# Altium PCB DM1097_R2M0E2.PcbDoc (part 6 of 7)
Units mm, origin at the board's own origin, x right, y up, seen from the top; angles counter-clockwise.
Board outline 110 x 60 mm, 6 copper layers (Top Copper, GND 1, PWR, Signal Layer 1, GND 2, Bottom Copper), stack 1.597 mm thick; 274 components, 266 nets, 1212 pads, 803 vias.
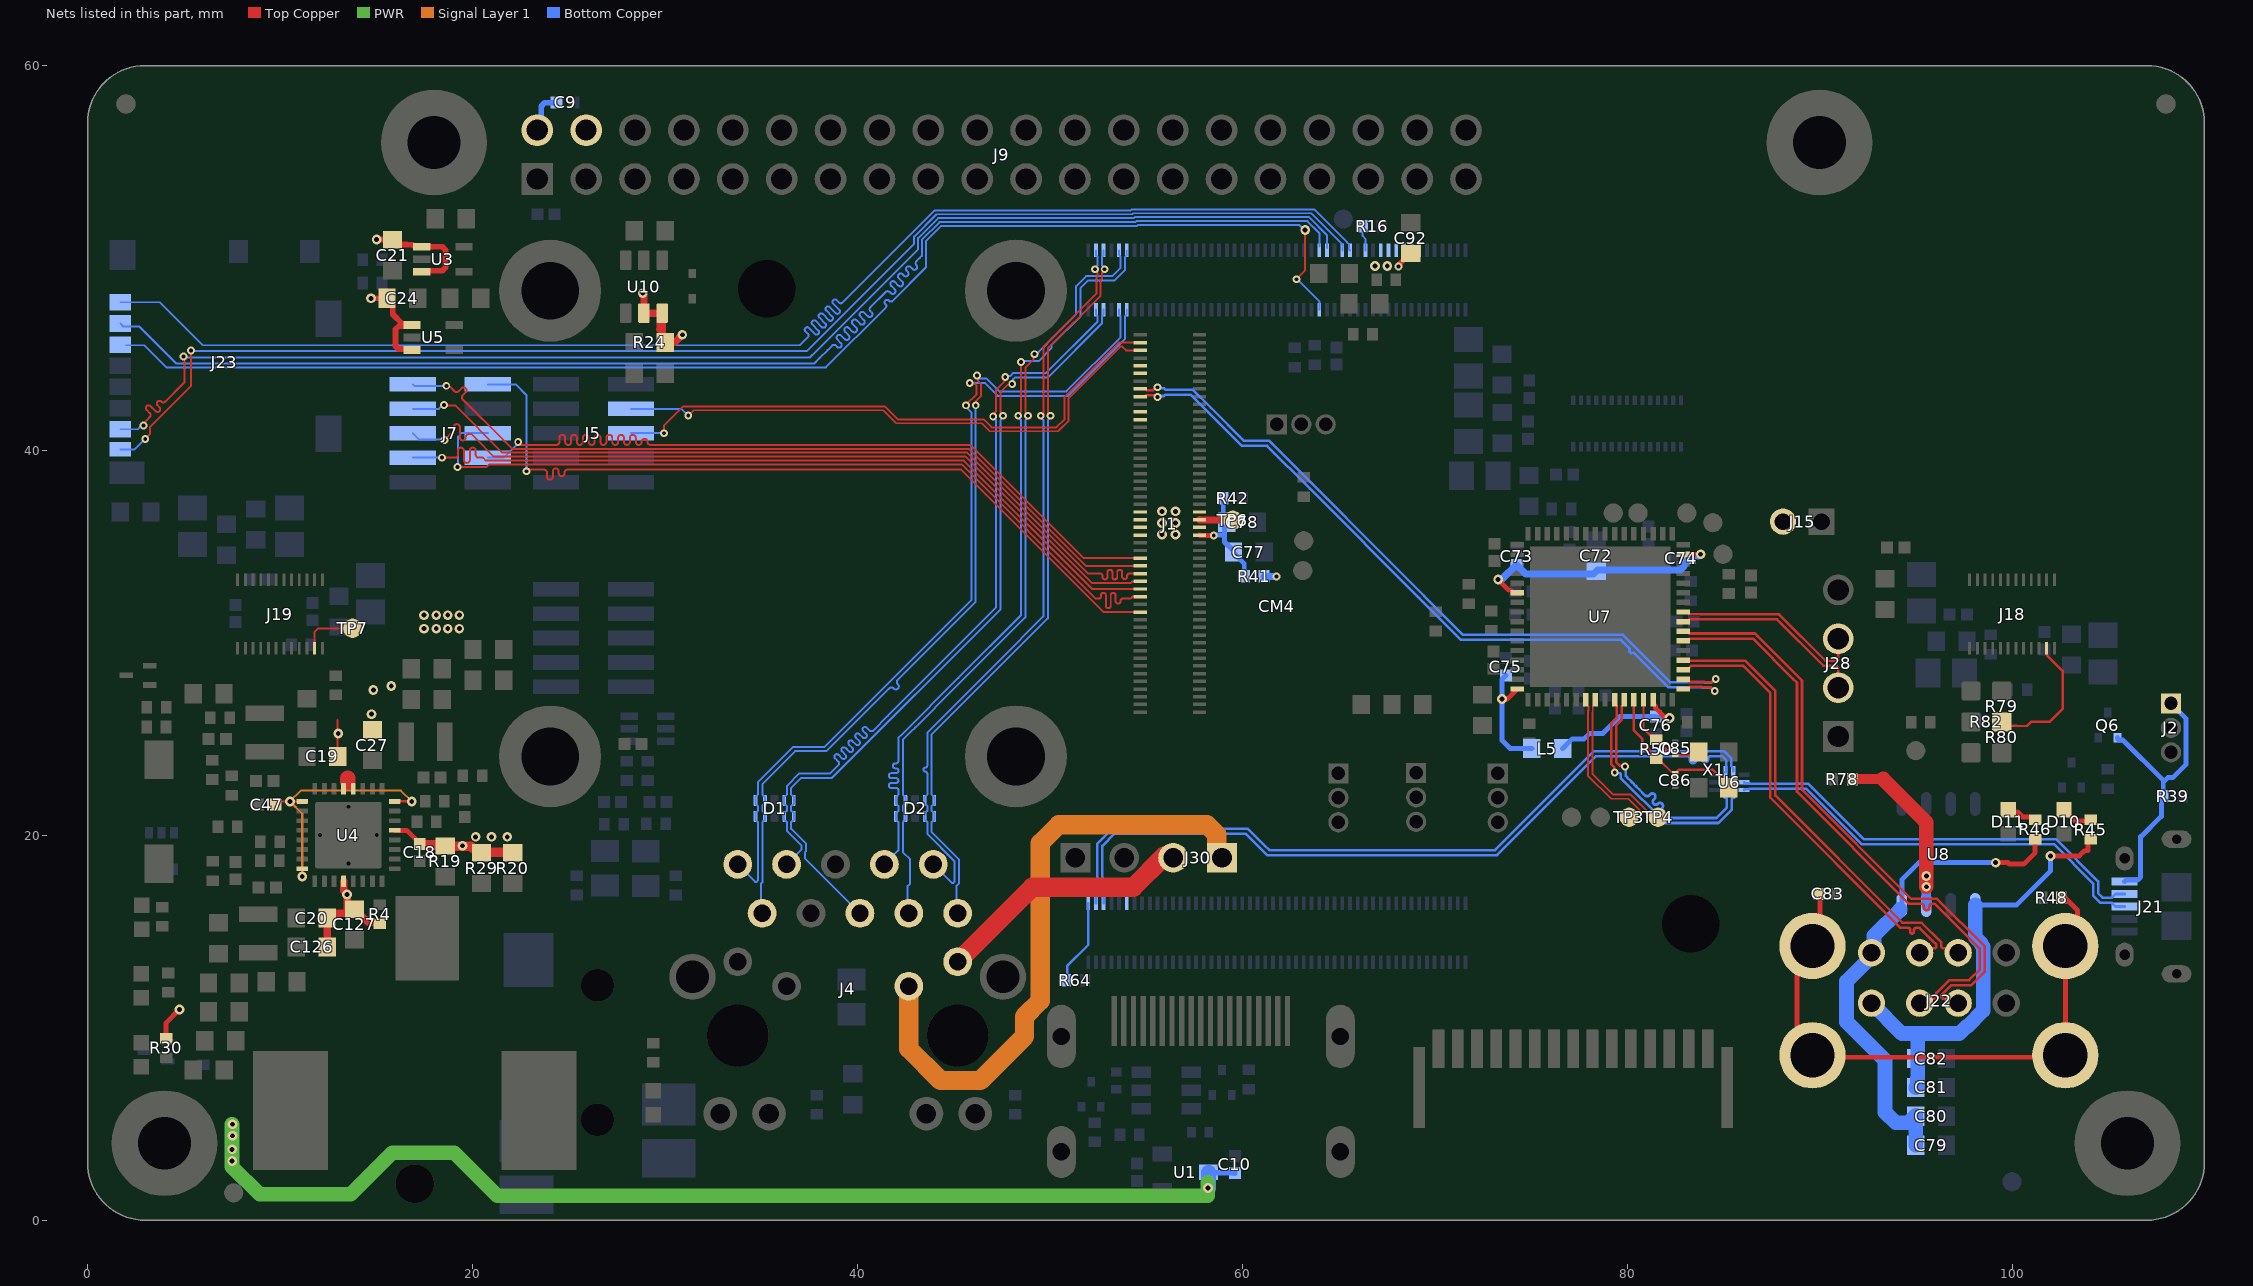
[diagram p10: the nets of this part, all layers, seen from the top]

## Via types
v1: diameter 0.406, hole 0.203, Top Copper to Bottom Copper, tented both sides, 442 vias
v2: diameter 0.508, hole 0.254, Top Copper to Bottom Copper, tented both sides, 361 vias

## Nets (pads, with @x,y where several pads share a name; then routed paths per layer and width w, separated by ;. In a path a pad name is that pad's centre, name@x,y a point inside that pad or via, vN(x,y) a via of type N, cw(c..) or ccw(c..) an arc to the next point about the centre after c; other vN are vias at no path point) (continued)
SDX_CMD: CM4.62 J23.3 | length 70.9
  Top Copper w0.102: v1(62.814,48.895) 63.271,49.352 v2(63.271,51.46)
  Bottom Copper w0.102: J23.3@2.007,45.466 2.939,45.466 4.091,44.314 38.37,44.314 41.442,47.386 41.478,47.422 ccw(c41.397,47.503) 41.478,47.584 41.446,47.616 cw(c41.527,47.697) 41.446,47.778 41.464,47.796 cw(c41.545,47.715) 41.626,47.796 41.658,47.764 ccw(c41.739,47.845) 41.82,47.764 43.561,49.505 43.561,49.707 43.561,50.859 44.366,51.664 54.535,51.664 54.586,51.714 62.967,51.714 63.221,51.46 v2(63.271,51.46) ; v1(62.814,48.895) 62.854,48.895 64.004,47.745 64.004,47.324 CM4.62@64,47.32
SDX_D0: CM4.63 J23.7 | length 71
  Top Copper w0.102: v1(2.9,41.3) 2.892,41.308 2.892,41.392 3.204,41.704 3.24,41.74 ccw(c3.14,41.839) 3.24,41.939 3.073,42.105 cw(c3.172,42.205) 3.272,42.305 3.538,42.038 ccw(c3.638,42.138) 3.737,42.237 3.638,42.337 cw(c3.737,42.436) 3.837,42.536 ccw(c3.936,42.636) 4.036,42.536 5.029,43.529 5.029,43.713 5.029,44.829 v1(4.985,44.873)
  Bottom Copper w0.102: J23.7@1.7,41.1 2.617,41.1 2.817,41.3 v1(2.9,41.3) ; v1(4.985,44.873) 5.027,44.831 37.541,44.831 37.871,45.161 40.513,47.803 42.873,50.163 43.155,50.444 43.155,51.027 44.197,52.07 54.367,52.07 54.418,52.121 63.473,52.121 64.4,51.194 CM4.63@64.4,50.51
SDX_D1: CM4.67 J23.8 | length 71.1
  Top Copper w0.102: v1(3,40.6) 3.256,40.856 3.256,41.229 5.385,43.358 v1(5.385,45.187)
  Bottom Copper w0.102: J23.8@1.7,40.05 2.45,40.05 v1(3,40.6) ; v1(5.385,45.187) 5.41,45.161 37.363,45.161 42.951,50.749 42.951,51.111 44.113,52.273 54.283,52.273 54.334,52.324 63.587,52.324 65.2,50.711 CM4.67@65.2,50.4
SDX_D2: CM4.69 J23.1 | length 74.1
  Bottom Copper w0.102: J23.1@1.7,47.7 3.76,47.7 5.994,45.466 37.008,45.466 37.399,45.857 37.435,45.893 ccw(c37.354,45.974) 37.435,46.055 37.299,46.192 cw(c37.38,46.273) 37.299,46.354 37.317,46.372 cw(c37.398,46.291) 37.479,46.372 37.802,46.049 ccw(c37.883,46.13) 37.964,46.049 37.982,46.067 ccw(c37.901,46.148) 37.982,46.229 37.659,46.552 cw(c37.74,46.633) 37.659,46.714 37.677,46.732 cw(c37.758,46.651) 37.839,46.732 38.162,46.409 ccw(c38.243,46.49) 38.324,46.409 38.342,46.427 ccw(c38.261,46.508) 38.342,46.589 38.019,46.912 cw(c38.1,46.993) 38.019,47.074 38.037,47.092 cw(c38.118,47.011) 38.199,47.092 38.522,46.769 ccw(c38.603,46.85) 38.684,46.769 38.702,46.787 ccw(c38.621,46.868) 38.702,46.949 38.379,47.272 cw(c38.46,47.353) 38.379,47.434 38.397,47.452 cw(c38.478,47.371) 38.559,47.452 38.882,47.129 ccw(c38.963,47.21) 39.044,47.129 39.062,47.147 ccw(c38.981,47.228) 39.062,47.309 38.739,47.632 cw(c38.82,47.713) 38.739,47.794 38.757,47.812 cw(c38.838,47.731) 38.919,47.812 39.055,47.675 ccw(c39.136,47.757) 39.217,47.675 41.017,49.475 44.018,52.476 54.199,52.476 54.249,52.527 63.738,52.527 65.452,50.813 65.452,50.803 65.551,50.705 65.551,50.449 CM4.69@65.6,50.4
SDX_D3: CM4.61 J23.2 | length 74
  Bottom Copper w0.102: J23.2@1.7,46.6 1.86,46.44 2.683,46.44 4.606,44.517 37.761,44.517 38.025,44.781 38.453,45.21 38.689,45.445 cw(c38.788,45.345) 38.888,45.445 38.951,45.381 ccw(c39.051,45.481) 39.15,45.58 38.964,45.767 cw(c39.063,45.867) 39.163,45.966 39.349,45.78 ccw(c39.449,45.879) 39.549,45.979 39.362,46.165 cw(c39.462,46.265) 39.561,46.364 39.748,46.178 ccw(c39.847,46.277) 39.947,46.377 39.76,46.564 cw(c39.86,46.663) 39.959,46.763 40.146,46.576 ccw(c40.246,46.676) 40.345,46.775 40.158,46.962 cw(c40.258,47.061) 40.358,47.161 40.544,46.974 ccw(c40.644,47.074) 40.743,46.974 ccw(c40.644,47.074) 40.743,47.173 40.68,47.237 cw(c40.779,47.337) 40.68,47.436 41.476,48.233 cw(c41.576,48.133) 41.675,48.233 41.739,48.169 ccw(c41.838,48.269) 41.938,48.368 41.751,48.555 cw(c41.851,48.654) 41.951,48.754 42.137,48.567 ccw(c42.237,48.667) 42.336,48.766 42.15,48.953 cw(c42.249,49.053) 42.349,49.152 42.416,49.085 ccw(c42.515,49.185) 42.615,49.085 ccw(c42.515,49.185) 42.615,49.284 42.571,49.328 cw(c42.671,49.427) 42.77,49.527 42.87,49.427 ccw(c42.97,49.527) 43.069,49.626 cw(c43.169,49.726) 43.069,49.826 43.247,50.003 43.358,50.114 43.358,50.943 44.282,51.867 54.451,51.867 54.502,51.918 63.389,51.918 64.008,51.299 CM4.61@64.008,50.597
SDX_VDD: CM4.73 R16.1 | length 1.4
  Bottom Copper w0.102: R16.1@66.251,51.714 66.251,51.148 66.4,50.999 CM4.73@66.4,50.4
SOFT_START: C47.1 U4.8 U4.17 U4.24 | length 13.7
  Top Copper w0.102: C47.1@9.765,21.697 9.83,21.762 v2(10.515,21.762) U4.17@11.155,21.762
  Top Copper w0.127: v2(11.155,17.861) U4.24@11.155,18.262 ; U4.8@15.955,21.762 v2(16.847,21.762)
  Signal Layer 1 w0.102: v2(10.515,21.762) 11.079,22.327 16.282,22.327 16.841,21.768 v2@16.891,21.768
  Signal Layer 1 w0.127: v2(10.515,21.762) 11.155,21.121 v2(11.155,17.861)
SP1: J4.13 J30.1 | length 32.5
  Signal Layer 1 w1: J4.13@42.675,12.16 42.675,8.912 44.323,7.264 46.406,7.264 48.692,9.55 48.692,10.592 49.505,11.405 49.505,19.583 50.47,20.549 58.166,20.549 58.675,20.04 58.675,19.108 58.911,18.872 J30.1@59.004,18.872
  Bottom Copper w1: J4.13@42.672,12.268 42.675,12.265 J4.13@42.675,12.16
SP2: J4.14 J30.2 | length 13
  Top Copper w1: J4.14@45.215,13.43 49.085,17.3 54.333,17.3 55.931,18.898 J30.2@55.931,18.923
SPI_SCK: J1.74 J7.1 | length 42.5
  Top Copper w0.102: v1(22.809,38.916) 22.809,38.94 22.869,39 23.362,39 23.719,39 cw(c23.719,38.847) 23.872,38.847 23.872,38.631 ccw(c24.024,38.631) 24.177,38.631 24.177,38.915 cw(c24.33,38.915) 24.483,38.915 24.483,38.812 ccw(c24.636,38.812) 24.788,38.812 24.788,38.847 cw(c24.941,38.847) 24.941,39 28.132,39 45.4,39 52.8,31.6 J1.74@54.7,31.6
  Bottom Copper w0.102: J7.1@20.8,43.434 22.25,43.434 22.809,42.875 v1(22.809,38.916)
SPI_SIO0: J1.62 J7.2 | length 42.5
  Top Copper w0.102: v1(18.644,43.358) 18.702,43.299 18.845,43.299 19.03,43.114 19.066,43.078 ccw(c19.174,43.186) 19.282,43.078 19.435,43.231 cw(c19.543,43.123) 19.651,43.015 19.498,42.862 ccw(c19.606,42.754) 19.498,42.646 21.649,40.495 22.06,40.084 45.791,40.084 51.875,34 J1.62@54.7,34
  Bottom Copper w0.102: J7.2@16.9,43.434 16.976,43.358 v1(18.644,43.358)
SPI_SIO1: J1.64 J7.4 | length 43.4
  Top Copper w0.102: v1(18.517,42.358) 18.532,42.342 19.101,42.342 21.562,39.881 45.706,39.881 51.987,33.6 52.321,33.6 52.627,33.6 cw(c52.627,33.485) 52.741,33.485 52.741,33.418 ccw(c52.856,33.418) 52.856,33.303 52.881,33.303 ccw(c52.881,33.418) 52.996,33.418 52.996,33.682 cw(c53.111,33.682) 53.111,33.797 53.136,33.797 cw(c53.136,33.682) 53.251,33.682 53.251,33.418 ccw(c53.365,33.418) 53.365,33.303 53.391,33.303 ccw(c53.391,33.418) 53.505,33.418 53.505,33.682 cw(c53.62,33.682) 53.62,33.797 53.645,33.797 cw(c53.645,33.682) 53.76,33.682 53.76,33.437 ccw(c53.874,33.437) 53.874,33.322 53.9,33.322 ccw(c53.9,33.437) 54.014,33.437 54.014,33.485 cw(c54.129,33.485) 54.129,33.6 54.361,33.6 J1.64@54.7,33.6
  Bottom Copper w0.102: J7.4@16.9,42.164 18.252,42.164 18.446,42.358 v1(18.517,42.358)
SPI_SIO2: J1.66 J7.6 | length 42.6
  Top Copper w0.102: v1(18.542,40.548) 18.837,40.843 18.888,40.843 ccw(c18.888,40.996) 19.041,40.996 19.041,41.212 cw(c19.194,41.212) 19.346,41.212 19.346,40.674 ccw(c19.499,40.674) 19.652,40.674 19.652,40.69 cw(c19.805,40.69) 19.805,40.843 19.953,40.843 20.197,40.599 21.119,39.678 22.53,39.678 45.622,39.678 52.2,33.1 54.199,33.1 54.299,33.2 J1.66@54.7,33.2
  Bottom Copper w0.102: J7.6@16.9,40.894 17.229,40.565 18.525,40.565 v1(18.542,40.548)
SPI_SIO3: J1.68 J7.8 | length 42.7
  Top Copper w0.102: v1(18.415,39.624) 19.048,39.624 19.099,39.624 ccw(c19.099,39.777) 19.252,39.777 19.252,39.993 cw(c19.404,39.993) 19.557,39.993 19.557,39.507 ccw(c19.71,39.507) 19.863,39.507 19.863,39.993 cw(c20.016,39.993) 20.168,39.993 20.168,39.777 ccw(c20.321,39.777) 20.321,39.624 20.553,39.624 20.703,39.475 21.389,39.475 22.758,39.475 45.538,39.475 52.116,32.897 52.213,32.8 J1.68@54.7,32.8
  Bottom Copper w0.102: J7.8@16.9,39.624 v1(18.415,39.624)
SPI_SS_0: J1.70 J7.5 | length 43.9
  Top Copper w0.102: v1(19.228,39.141) 20.732,39.141 20.862,39.271 45.416,39.271 52.387,32.3 52.494,32.3 52.545,32.3 ccw(c52.545,32.415) 52.66,32.415 52.66,32.482 cw(c52.774,32.482) 52.774,32.597 52.8,32.597 cw(c52.8,32.482) 52.914,32.482 52.914,31.918 ccw(c53.029,31.918) 53.029,31.803 53.054,31.803 ccw(c53.054,31.918) 53.169,31.918 53.169,32.482 cw(c53.283,32.482) 53.283,32.597 53.309,32.597 cw(c53.309,32.482) 53.423,32.482 53.423,32.162 ccw(c53.538,32.162) 53.538,32.047 53.563,32.047 ccw(c53.563,32.162) 53.678,32.162 53.678,32.185 cw(c53.793,32.185) 53.793,32.3 54.199,32.3 54.299,32.4 54.656,32.4 J1.70@54.7,32.4
  Bottom Copper w0.102: v1(19.228,39.141) 19.253,39.167 19.253,40.716 19.431,40.894 J7.5@20.8,40.894
SPI_SS_1: J1.60 J7.7 | length 42.6
  Top Copper w0.102: v1(22.377,40.44) 22.53,40.287 24.311,40.287 24.362,40.287 ccw(c24.362,40.44) 24.515,40.44 24.515,40.657 cw(c24.668,40.657) 24.821,40.657 24.821,40.44 ccw(c24.973,40.44) 25.126,40.44 25.126,40.657 cw(c25.279,40.657) 25.432,40.657 25.432,40.44 ccw(c25.585,40.44) 25.737,40.44 25.737,40.657 cw(c25.89,40.657) 26.043,40.657 26.043,40.44 ccw(c26.196,40.44) 26.349,40.44 26.349,40.657 cw(c26.501,40.657) 26.654,40.657 26.654,40.44 ccw(c26.807,40.44) 26.96,40.44 26.96,40.657 cw(c27.113,40.657) 27.265,40.657 27.265,40.44 ccw(c27.418,40.44) 27.571,40.44 27.571,40.657 cw(c27.724,40.657) 27.877,40.657 27.877,40.44 ccw(c28.029,40.44) 28.182,40.44 28.182,40.657 cw(c28.335,40.657) 28.488,40.657 28.488,40.44 ccw(c28.641,40.44) 28.793,40.44 28.793,40.453 cw(c28.946,40.453) 29.099,40.453 29.099,40.44 ccw(c29.252,40.44) 29.252,40.287 32.016,40.287 45.875,40.287 51.762,34.4 J1.60@54.7,34.4
  Bottom Copper w0.102: J7.7@20.8,39.624 21.62,39.624 22.377,40.381 v1(22.377,40.44)
STRB2: J19.14 TP7.1 | length 2.8
  Top Copper w0.102: J19.14@11.8,29.86 11.8,30.568 11.99,30.758 TP7.1@13.774,30.758
STROBE1: J18.14 R79.2 R80.1 R82.2 | length 7.2
  Top Copper w0.127: R82.2@99.472,25.895 99.667,25.7 100.207,25.7 100.226,25.681 100.781,25.681 100.995,25.895 101.953,25.895 102.631,26.573 102.631,28.541 101.8,29.372 J18.14@101.8,29.86
TRD1_N: CM4.10 D1.2 D1.9 J4.2 | length 45
  Top Copper w0.102: v1(46.152,42.344) 46.161,42.353 46.161,42.561 46.425,42.825 46.425,43.466 46.26,43.631 46.26,43.846 v1(46.218,43.888)
  Bottom Copper w0.102: J4.2@35.055,15.95 34.993,16.012 34.993,17.478 35.064,17.549 35.064,20.691 35.124,20.751 35.151,20.751 35.2,20.8 D1.9@35.2,20.983 35.2,21.165 35.151,21.214 35.124,21.214 35.064,21.274 35.064,21.526 35.124,21.586 35.151,21.586 35.2,21.635 D1.2@35.2,21.818 35.2,22 35.151,22.049 35.124,22.049 35.064,22.109 35.064,22.664 35.272,22.872 35.533,23.133 35.736,23.336 36.375,23.975 36.771,24.371 38.392,24.371 41.404,27.383 41.66,27.639 cw(c41.77,27.529) 41.88,27.639 41.89,27.629 ccw(c42,27.74) 42.111,27.85 42.101,27.86 cw(c42.211,27.97) 42.101,28.08 43.874,29.854 46.152,32.131 v1(46.152,42.344) ; v1@46.177,43.929 v1(46.218,43.888) 46.272,43.834 46.272,43.739 46.711,43.739 46.965,43.485 47.384,43.066 50.866,43.066 53.686,45.886 53.686,46.984 53.6,47.07 CM4.10@53.6,47.32
TRD1_P: CM4.12 D1.1 D1.10 J4.1 | length 45
  Top Copper w0.102: v1(45.644,42.344) 45.644,42.368 46.196,42.92 46.196,43.371 46.098,43.469 45.883,43.469 v1(45.841,43.511)
  Bottom Copper w0.102: J4.1@33.785,18.49 34.689,17.586 34.774,17.586 34.833,17.645 34.833,20.547 34.836,20.549 34.836,20.691 34.776,20.751 34.749,20.751 34.7,20.8 D1.10@34.7,20.983 34.7,21.165 34.749,21.214 34.776,21.214 34.836,21.274 34.836,21.526 34.776,21.586 34.749,21.586 34.7,21.635 D1.1@34.7,21.818 34.7,22 34.749,22.049 34.776,22.049 34.836,22.109 34.836,22.759 36.677,24.6 38.298,24.6 45.924,32.226 45.924,41.983 45.644,42.262 v1(45.644,42.344) ; v1@45.8,43.552 v1(45.841,43.511) 45.847,43.517 46.05,43.517 46.057,43.51 46.616,43.51 47.289,42.837 50.96,42.837 53.914,45.791 53.914,46.984 54,47.07 CM4.12@54,47.32
TRD2_N: CM4.6 D1.5 D1.6 J4.6 | length 42.4
  Top Copper w0.102: v1@47.585,41.862 47.429,42.018 47.429,43.034 47.833,43.438 48.031,43.438 v1(48.046,43.454)
  Bottom Copper w0.102: J4.6@39.867,16.218 J4.6@40.135,15.95 40.129,15.95 39.864,16.214 37.271,18.808 37.271,19.112 37.338,19.179 37.338,19.564 36.564,20.337 36.564,20.691 36.624,20.751 36.651,20.751 36.7,20.8 D1.6@36.7,20.983 36.7,21.165 36.651,21.214 36.624,21.214 36.564,21.274 36.564,21.526 36.624,21.586 36.651,21.586 36.7,21.635 D1.5@36.7,21.818 36.7,22 36.651,22.049 36.624,22.049 36.564,22.109 36.564,22.464 37.087,22.987 38.684,22.987 47.429,31.731 47.429,33.856 47.429,36.985 47.429,41.578 47.568,41.718 v1(47.568,41.8) ; v1(48.046,43.454) 48.097,43.505 48.097,43.703 48.195,43.8 49.909,43.8 52.714,46.605 52.714,46.984 52.8,47.07 CM4.6@52.8,47.32
TRD2_P: CM4.4 D1.4 D1.7 J4.3 | length 42.4
  Top Copper w0.102: v1@47.162,41.838 47.124,41.876 47.124,41.936 47.2,42.012 47.2,43.129 47.671,43.6 47.671,43.798 v1(47.687,43.813)
  Bottom Copper w0.102: J4.3@36.325,18.49 37.109,19.274 37.109,19.469 36.336,20.242 36.336,20.691 36.276,20.751 36.249,20.751 36.2,20.8 D1.7@36.2,20.983 36.2,21.165 36.249,21.214 36.276,21.214 36.336,21.274 36.336,21.526 36.276,21.586 36.249,21.586 36.2,21.635 36.2,22 36.249,22.049 36.276,22.049 36.336,22.109 36.336,22.559 36.992,23.216 38.59,23.216 38.983,23.609 39.019,23.645 ccw(c38.929,23.735) 39.019,23.825 38.845,23.999 cw(c38.935,24.089) 38.845,24.179 cw(c38.935,24.089) 39.025,24.179 39.199,24.005 ccw(c39.289,24.095) 39.379,24.185 39.205,24.359 cw(c39.295,24.449) 39.385,24.539 39.559,24.365 ccw(c39.649,24.455) 39.739,24.545 39.566,24.719 cw(c39.656,24.809) 39.566,24.899 cw(c39.656,24.809) 39.746,24.899 39.919,24.725 ccw(c40.009,24.815) 40.099,24.905 39.926,25.079 cw(c40.016,25.169) 40.106,25.259 40.279,25.085 ccw(c40.369,25.175) 40.459,25.265 40.307,25.418 cw(c40.397,25.508) 40.307,25.598 cw(c40.397,25.508) 40.487,25.598 40.639,25.445 ccw(c40.729,25.535) 40.819,25.445 41.586,26.212 47.2,31.826 47.2,33.856 47.2,36.985 47.2,41.578 47.06,41.718 v1(47.06,41.757) ; v1(47.687,43.813) 47.738,43.864 47.936,43.864 48.1,44.029 49.814,44.029 52.486,46.7 52.486,46.984 52.4,47.07 CM4.4@52.4,47.32
TRD3_N: CM4.9 D2.2 D2.9 J4.8 | length 40.7
  Top Copper w0.102: v1(48.868,41.8) 48.868,41.872 48.729,42.012 48.729,44.3 49.164,44.736 49.164,44.964 v1(49.2,45)
  Bottom Copper w0.102: J4.8@42.675,15.95 42.612,16.013 42.612,17.367 42.738,17.494 42.738,18.756 42.362,19.133 42.362,20.351 42.364,20.354 42.364,20.691 42.424,20.751 42.451,20.751 42.5,20.8 D2.9@42.5,20.983 42.5,21.165 42.451,21.214 42.424,21.214 42.364,21.274 42.364,21.526 42.424,21.586 42.451,21.586 42.5,21.635 D2.2@42.5,21.818 42.5,22 42.451,22.049 42.424,22.049 42.364,22.109 42.364,22.5 42.364,24.964 42.8,25.4 43,25.6 45.1,27.7 48.729,31.329 48.729,33.005 48.729,37.379 48.729,41.578 48.868,41.718 v1(48.868,41.8) ; v1(49.2,45) 49.282,45 49.373,45.09 49.409,45.09 49.86,45.541 49.86,45.568 51.371,47.079 51.371,48.54 51.888,49.057 53.257,49.057 53.686,49.486 53.686,50.064 53.6,50.15 CM4.9@53.6,50.4
TRD3_P: CM4.11 D2.1 D2.10 J4.7 | length 40.7
  Top Copper w0.102: v1(48.36,41.8) 48.36,41.872 48.5,42.012 v1@48.5,44.509
  Bottom Copper w0.102: J4.7@41.405,18.49 42.133,19.218 42.133,20.547 42.136,20.549 42.136,20.691 42.076,20.751 42.049,20.751 42,20.8 D2.10@42,20.983 42,21.165 42.049,21.214 42.076,21.214 42.136,21.274 42.136,21.526 42.076,21.586 42.049,21.586 42,21.635 D2.1@42,21.818 42,22 42.049,22.049 42.076,22.049 42.136,22.109 42.136,22.285 42.136,22.336 ccw(c42.008,22.336) 42.008,22.463 41.763,22.463 cw(c41.763,22.591) 41.636,22.591 cw(c41.763,22.591) 41.763,22.718 42.008,22.718 ccw(c42.008,22.845) 42.136,22.845 ccw(c42.008,22.845) 42.008,22.973 41.763,22.973 cw(c41.763,23.1) 41.636,23.1 cw(c41.763,23.1) 41.763,23.227 42.008,23.227 ccw(c42.008,23.355) 42.136,23.355 ccw(c42.008,23.355) 42.008,23.482 41.97,23.482 cw(c41.97,23.609) 41.843,23.609 cw(c41.97,23.609) 41.97,23.736 42.008,23.736 ccw(c42.008,23.864) 42.136,23.864 42.136,24.162 42.136,25.041 42.136,25.059 42.337,25.26 45.253,28.176 48.5,31.423 48.5,33.005 48.5,37.379 48.5,41.578 48.36,41.718 v1(48.36,41.8) ; v1(48.5,44.6) 48.546,44.646 49.051,44.646 49.053,44.644 49.422,44.644 50.089,45.312 50.089,45.473 51.6,46.984 51.6,48.446 51.983,48.829 53.352,48.829 53.914,49.391 53.914,50.064 54,50.15 CM4.11@54,50.4
TRD4_N: CM4.5 D2.5 D2.6 J4.10 | length 39.3
  Top Copper w0.102: v1@49.9,41.8 49.9,45.3 52.647,48.047 52.647,48.86 52.714,48.927 52.714,49.201 52.854,49.341 v1(52.854,49.413)
  Bottom Copper w0.102: J4.10@45.215,15.95 45.152,16.013 45.152,17.367 45.278,17.494 45.278,18.756 44.413,19.621 44.135,19.9 43.864,20.17 43.864,20.691 43.924,20.751 43.951,20.751 44,20.8 D2.6@44,20.983 44,21.165 43.951,21.214 43.924,21.214 43.864,21.274 43.864,21.526 43.924,21.586 43.951,21.586 44,21.635 D2.5@44,21.818 44,22 43.951,22.049 43.924,22.049 43.864,22.109 43.864,25.241 49.9,31.277 49.9,31.608 49.9,31.836 49.9,36.617 49.9,39.517 49.9,41.303 49.9,41.578 50.04,41.718 v1(50.04,41.8) ; CM4.5@52.8,50.4 52.8,50.15 52.714,50.064 52.714,49.612 52.854,49.472 v1(52.854,49.413)
TRD4_P: CM4.3 D2.4 D2.7 J4.9 | length 39.3
  Top Copper w0.102: v1@49.671,41.8 49.671,45.395 52.419,48.142 52.419,48.955 52.486,49.022 52.486,49.201 52.346,49.341 v1(52.346,49.413)
  Bottom Copper w0.102: J4.9@43.945,18.49 44.906,17.529 44.99,17.529 45.05,17.588 45.05,18.661 43.636,20.075 43.636,20.691 43.576,20.751 43.549,20.751 43.5,20.8 D2.7@43.5,20.983 43.5,21.165 43.549,21.214 43.576,21.214 43.636,21.274 43.636,21.526 43.576,21.586 43.549,21.586 43.5,21.635 D2.4@43.5,21.818 43.5,22 43.549,22.049 43.576,22.049 43.636,22.109 43.636,22.473 43.636,23.16 43.636,23.21 ccw(c43.534,23.21) 43.534,23.312 cw(c43.534,23.414) 43.534,23.516 ccw(c43.534,23.618) 43.636,23.618 43.636,23.931 43.636,24.888 43.636,25.336 43.794,25.494 46.084,27.784 47.35,29.05 49.671,31.371 49.671,31.608 49.671,31.836 49.671,36.617 49.671,39.517 49.671,41.303 49.671,41.578 49.532,41.718 v1(49.532,41.8) ; v1(52.346,49.413) 52.346,49.472 52.486,49.612 52.486,50.064 52.4,50.15 CM4.3@52.4,50.4
TVDAC: CM4.111
TX_N: TP4.1 U7.56 | length 8.4
  Top Copper w0.102: U7.56@78.35,27.046 78.35,26.841 78.214,26.705 78.214,26.386 78.194,26.365 78.194,23.196 79.261,22.129 80.16,22.129 80.97,21.319 80.97,21.14 81.029,21.08 81.462,21.08 TP4.1@81.606,20.937
TX_P: TP3.1 U7.55 | length 8.4
  Top Copper w0.102: U7.55@77.85,27.046 77.85,26.841 77.986,26.705 77.986,26.481 77.965,26.46 77.965,23.102 79.167,21.9 80.066,21.9 80.741,21.224 80.741,21.14 80.682,21.08 80.249,21.08 TP3.1@80.106,20.937
UART_RX: J1.4 J5.6 | length 30.2
  Top Copper w0.102: v1(29.947,40.894) 29.947,41.275 30.963,42.291 41.427,42.291 42.102,41.616 46.559,41.616 46.976,41.199 50.343,41.199 50.775,41.631 50.775,42.799 53.576,45.6 J1.4@54.7,45.6
  Bottom Copper w0.102: J5.6@28.239,40.894 v1(29.947,40.894)
UART_TX: J1.6 J5.8 | length 29.8
  Top Copper w0.102: v1(31.217,41.808) 31.496,42.088 41.343,42.088 42.018,41.413 46.475,41.413 46.892,40.996 50.427,40.996 50.978,41.546 50.978,42.715 53.66,45.397 53.772,45.397 53.969,45.2 J1.6@54.7,45.2